# Altium PCB CTRL V5.PcbDoc (part 3 of 3)
Units mil, origin at the board's own origin, x right, y up, seen from the top; angles counter-clockwise.
Board outline 1988.19 x 1466.54 mil, 2 copper layers (Top Layer, Bottom Layer); 108 components, 97 nets, 447 pads, 160 vias.
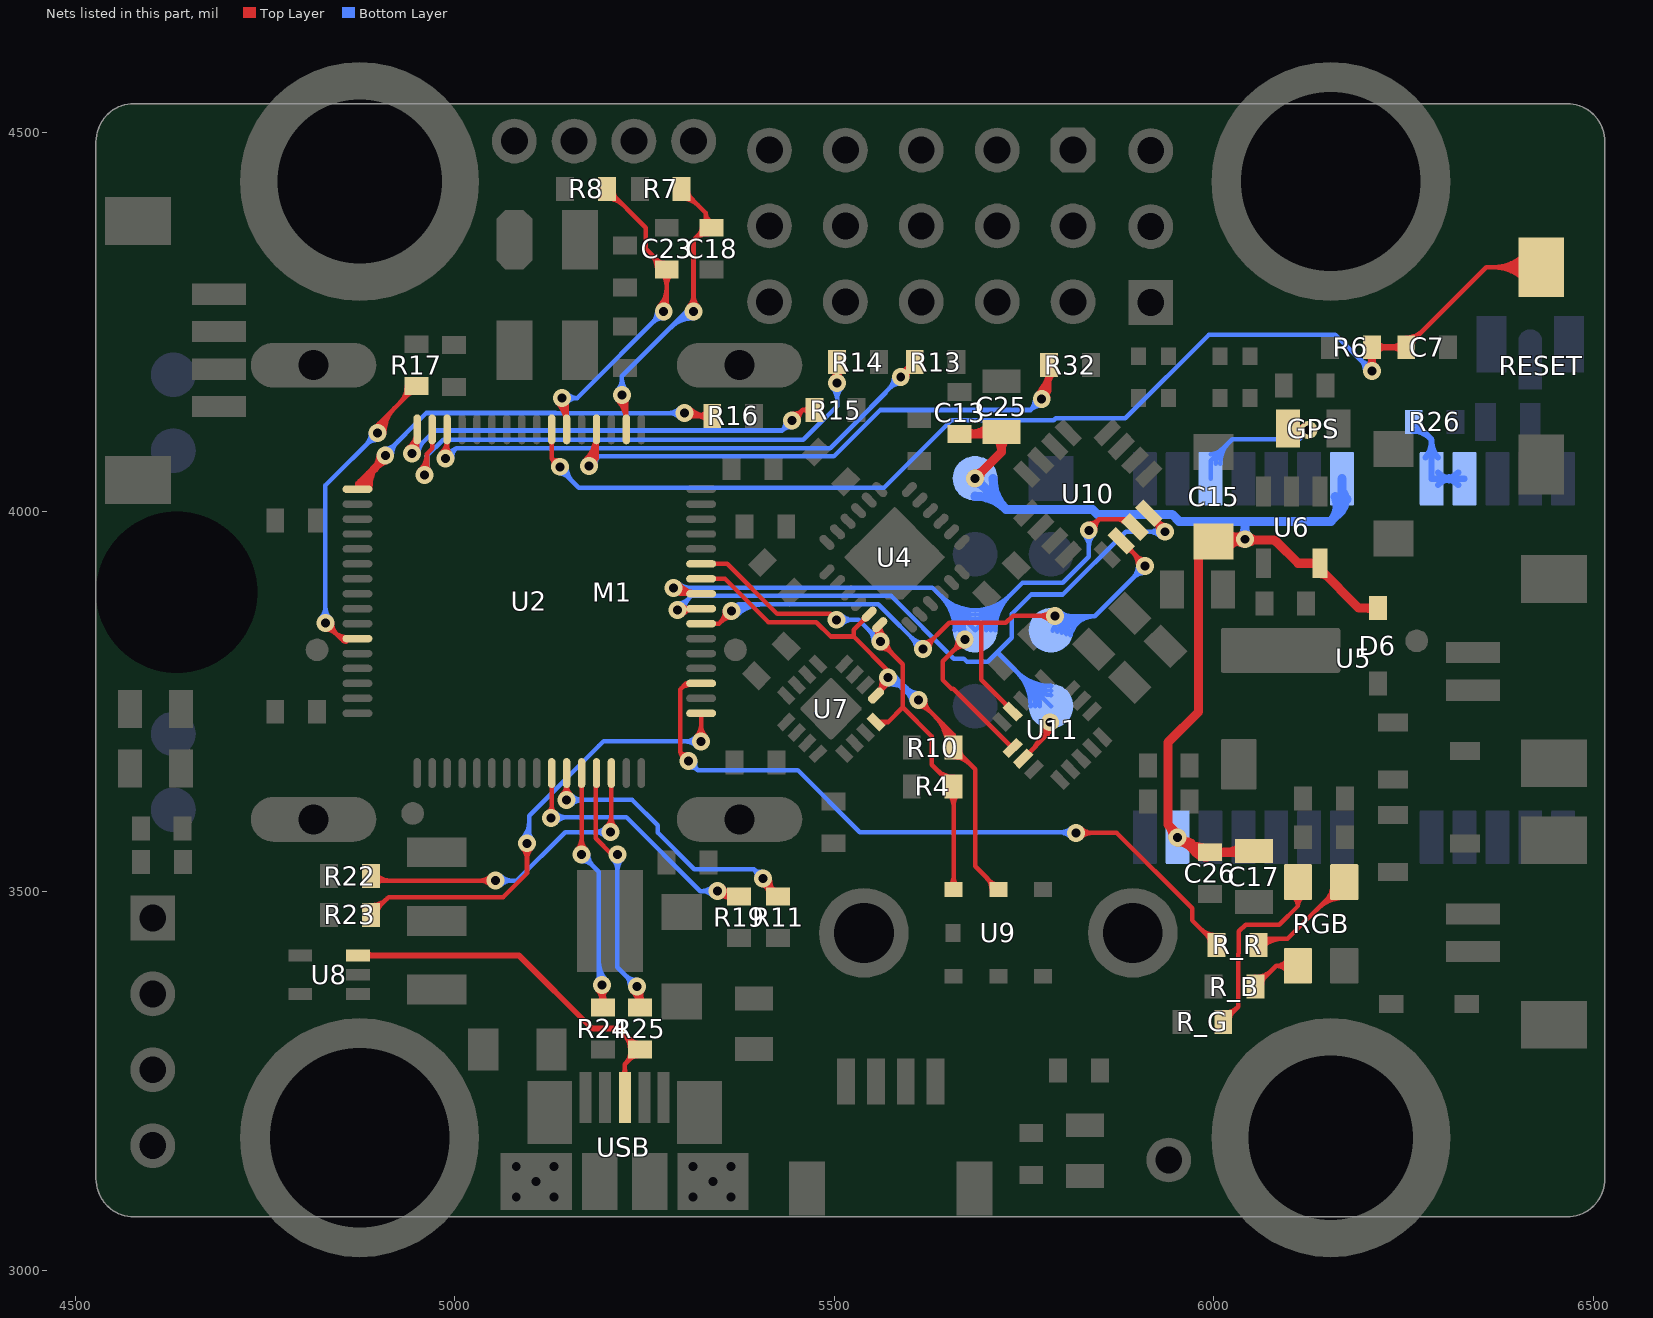
[diagram p3: the nets of this part, all layers, seen from the top]

## Via types
v1: diameter 23.62, hole 11.81, Top Layer to Bottom Layer, 160 vias

## Nets (pads, with @x,y where several pads share a name; then routed paths per layer and width w, separated by ;. In a path a pad name is that pad's centre, name@x,y a point inside that pad or via, vN(x,y) a via of type N, cw(c..) or ccw(c..) an arc to the next point about the centre after c; other vN are vias at no path point) (continued)
NetR25_1: R25.1 U8.3 USB.D+ | length 601.3
  Top Layer w6: USB.D+@5220.96,3257.2 ccw(c5212.64,3265.52) 5224.41,3265.52 ccw(c5236.18,3265.52) USB.D+@5227.86,3257.2 ; USB.D+@5224.41,3225.17 USB.D+@5224.41,3228.13 5224.41,3271.65 ; R25.1@5231.38,3290.62 cw(c5207.4,3288.66) 5224.41,3271.65 ; 5231.84,3279.08 cw(c5240.16,3270.76) R25.1@5240.16,3282.53 ; R25.1@5233.58,3280.82 ccw(c5224.35,3290.05) R25.1@5237.36,3291.11 ; R25.1@5244.09,3291.34 5224.41,3271.65
  Top Layer w8: U8.3@4872.65,3415.35 5084.65,3415.35 5181.1,3318.9 5216.53,3318.9 R25.1@5244.09,3291.34 ; U8.3@4883.26,3412.61 cw(c4889.87,3406) 4889.87,3415.35 cw(c4889.87,3424.71) U8.3@4883.26,3418.09 ; 5224.04,3311.39 cw(c5203.98,3291.34) R25.1@5232.35,3291.34 ; R25.1@5233.54,3301.89 ccw(c5240.16,3308.5) R25.1@5240.16,3299.15
NetR26_1: R26.1 U5.8 U5.9 | length 344.5
  Bottom Layer w8: R26.1@6263.78,4106.36 cw(c6263.78,4078) 6283.84,4098.05 ; R26.1@6263.78,4118.11 6287.4,4094.49 U5.8@6287.4,4043.31 U5.9@6330.71,4043.31 ; R26.1@6271.59,4114.17 ccw(c6280.94,4114.17) R26.1@6274.33,4107.56 ; U5.8@6279.09,4071.3 ccw(c6259.04,4091.36) 6287.4,4091.36 ccw(c6315.76,4091.36) U5.8@6295.71,4071.3 ; U5.8@6295.71,4035 cw(c6315.76,4014.95) 6315.76,4043.31 cw(c6315.76,4071.67) U5.8@6295.71,4051.62 ; U5.8@6296.99,4036.52 cw(c6306.91,4029.51) 6310.06,4041.24 ; U5.8@6296.99,4050.09 ccw(c6306.91,4057.11) 6310.06,4045.37 ; U5.8@6297.58,4037.43 cw(c6310.7,4029.86) 6306.78,4044.5 ; U5.8@6297.58,4049.18 ccw(c6310.7,4056.76) 6306.78,4042.12 ; U5.9@6322.4,4035 ccw(c6302.35,4014.95) 6302.35,4043.31 ccw(c6302.35,4071.67) U5.9@6322.4,4051.62
NetR_B_1: R_B.1 RGB.B | length 150.1
  Top Layer w6: R_B.1@6055.12,3374.02 6082.68,3401.57 ; R_B.1@6055.12,3380.76 ccw(c6055.12,3397.06) R_B.1@6066.64,3385.54 ; R_B.1@6055.12,3386.76 ccw(c6055.12,3417.54) 6076.88,3395.78 ; R_B.1@6063.93,3377.95 cw(c6075.7,3377.95) 6067.38,3386.27 ; RGB.B@6097.96,3393.17 ccw(c6082.68,3383.48) 6082.68,3401.57 ; RGB.B@6097.96,3409.98 cw(c6082.68,3419.67) 6082.68,3401.57 ; RGB.B@6111.22,3401.57 6082.68,3401.57
NetR_G_1: R_G.1 RGB.G | length 323.4
  Top Layer w6: R_G.1@6012.8,3327.76 6032.48,3347.44 ; R_G.1@6013.03,3334.5 ccw(c6014.09,3347.5) R_G.1@6023.31,3338.27 ; R_G.1@6013.51,3340.48 ccw(c6015.47,3364.45) 6032.48,3347.44 ; R_G.1@6021.61,3331.7 cw(c6033.37,3331.7) 6025.05,3340.02 ; RGB.G@6103.65,3493.14 cw(c6096.58,3480.32) 6111.22,3480.32 ; RGB.G@6111.22,3511.81 6111.22,3480.32 ; RGB.G@6118.8,3493.14 ccw(c6125.86,3480.32) 6111.22,3480.32 ; 6032.48,3347.44 6032.48,3417.32 6033.46,3418.31 6033.46,3446.85 6042.32,3455.71 6086.61,3455.71 6111.22,3480.32
NetR_R_1: R_R.1 RGB.R | length 284
  Top Layer w6: R_R.1@6059.06,3429.13 6066.93,3437.01 6097.44,3437.01 RGB.R@6172.24,3511.81 ; R_R.1@6061.04,3431.08 cw(c6075.35,3416.78) 6075.35,3437.01 ; R_R.1@6065.29,3426.84 cw(c6089.83,3402.29) 6089.83,3437.01 ; R_R.1@6065.29,3439.3 ccw(c6070.82,3444.84) R_R.1@6070.82,3437.01 ; 6137.04,3476.61 cw(c6172.24,3441.4) RGB.R@6172.24,3491.19 ; 6147.28,3486.85 cw(c6172.24,3461.89) RGB.R@6172.24,3497.19 ; 6148.92,3488.49 ccw(c6130.52,3506.89) RGB.R@6156.54,3506.89
NRST: C7.2 R6.2 RESET.2 U2.7 | length 2078.6
  Top Layer w6: U2.7@5127.95,4108.27 5127.95,4069.88 ; v1@5130.26,4061.31 ccw(c5121.66,4063.59) 5127.95,4069.88 ; v1@5136.52,4067.57 cw(c5134.24,4076.17) 5127.95,4069.88 ; v1(5138.78,4059.06) 5127.95,4069.88 ; v1@6202.43,4191.27 ccw(c6187.39,4206.31) 6208.66,4206.31 ccw(c6229.93,4206.31) v1@6214.89,4191.27 ; R6.2@6202.43,4206.37 cw(c6187.39,4191.33) 6208.66,4191.33 cw(c6229.93,4191.33) R6.2@6214.89,4206.37 ; v1@6203.91,4192.46 ccw(c6200.6,4197.65) 6206.54,4199.24 ccw(c6215.18,4201.55) v1@6211.9,4193.24 ; v1@6205.43,4193.24 ccw(c6202.14,4201.55) 6210.78,4199.24 ccw(c6216.73,4197.65) v1@6213.41,4192.46 ; v1(6208.66,4185.04) R6.2@6208.66,4216.53 ; C7.2@6253.94,4216.54 6359.33,4321.93 RESET.2@6432.09,4321.93 ; C7.2@6253.94,4223.28 ccw(c6253.94,4239.58) C7.2@6265.46,4228.06 ; C7.2@6253.94,4229.28 ccw(c6253.94,4260.06) 6275.7,4238.3 ; C7.2@6262.75,4220.47 cw(c6274.51,4220.47) 6266.19,4228.79 ; RESET.2@6412.99,4302.84 ccw(c6366.9,4256.75) 6366.9,4321.93 ccw(c6366.9,4387.11) RESET.2@6412.99,4341.02 ; RESET.2@6417.24,4307.08 ccw(c6381.39,4271.23) 6381.39,4321.93 ccw(c6381.39,4372.63) RESET.2@6417.24,4336.78 ; RESET.2@6421.48,4311.32 ccw(c6395.87,4285.72) 6395.87,4321.93 ccw(c6395.87,4358.14) RESET.2@6421.48,4332.54
  Top Layer w8: R6.2@6208.66,4216.53 C7.2@6253.94,4216.54 ; R6.2@6214.19,4211.01 cw(c6227.52,4197.67) 6227.52,4216.54 cw(c6227.51,4235.39) R6.2@6214.19,4222.06 ; C7.2@6248.41,4211.01 ccw(c6235.08,4197.68) 6235.08,4216.54 ccw(c6235.08,4235.39) C7.2@6248.41,4222.06
  Bottom Layer w6: v1@5138.78,4050.24 cw(c5138.78,4036.1) 5148.78,4046.1 ; v1(5138.78,4059.06) 5138.78,4056.1 5163.51,4031.37 5565.82,4031.37 5654.53,4120.08 5789.37,4120.08 5792.32,4123.03 5883.86,4123.03 5993.97,4233.14 6160.56,4233.14 v1(6208.66,4185.04) ; v1@5141.59,4059.06 ccw(c5155.51,4059.06) 5145.67,4049.22 ; v1@5147.59,4059.06 ccw(c5175.99,4059.06) 5155.91,4038.97 ; v1@6199.85,4185.04 ccw(c6178.58,4185.04) 6193.62,4200.08 ccw(c6208.66,4215.12) v1@6208.66,4193.85
PC13: C18.2 R7.1 U2.2 | length 667.6
  Top Layer w6: v1@5214.24,4147.31 cw(c5184.94,4118.01) U2.2@5226.38,4118.01 ; v1@5218.48,4151.56 cw(c5199.43,4132.5) 5226.38,4132.5 ; v1(5220.47,4153.54) 5226.38,4147.64 U2.2@5226.38,4108.27 ; R7.1@5299.21,4412.45 cw(c5299.21,4381.67) 5320.97,4403.43 ; R7.1@5299.21,4418.45 cw(c5299.21,4402.16) R7.1@5310.73,4413.68 ; R7.1@5299.21,4425.2 5330.71,4393.7 ; R7.1@5308.02,4421.26 ccw(c5319.79,4421.26) 5311.47,4412.94 ; v1@5308.6,4270.01 ccw(c5293.56,4285.05) 5314.83,4285.05 ccw(c5336.11,4285.05) v1@5321.06,4270.01 ; v1(5314.83,4263.78) 5314.83,4358.14 ; 5322.39,4365.7 ccw(c5314.07,4374.02) C18.2@5325.83,4374.02 ; C18.2@5324.07,4367.38 cw(c5333.43,4358.02) C18.2@5334.43,4371.21 ; C18.2@5328.41,4380.25 ccw(c5322.88,4385.78) C18.2@5330.71,4385.78 ; C18.2@5333.98,4365.23 ccw(c5332.12,4340.86) 5314.83,4358.14 ; C18.2@5338.25,4382.06 cw(c5343.47,4393.7) 5330.71,4393.7 ; 5314.83,4358.14 5330.71,4374.02 5330.71,4393.7
  Bottom Layer w6: v1@5214.24,4159.77 ccw(c5199.2,4174.82) 5220.47,4174.82 ccw(c5241.74,4174.82) v1@5226.7,4159.77 ; v1(5220.47,4153.54) 5220.47,4178.15 5306.1,4263.78 v1(5314.83,4263.78) ; 5284.89,4242.56 cw(c5314.83,4212.62) v1@5314.83,4254.97 ; 5295.13,4252.81 cw(c5314.83,4233.1) v1@5314.83,4260.97
PD1: C23.2 R8.1 U2.6 | length 712.5
  Top Layer w6: v1@5135.5,4143.38 cw(c5106.2,4114.08) U2.6@5147.64,4114.08 ; v1@5139.74,4147.62 cw(c5120.69,4128.56) 5147.64,4128.56 ; v1(5141.73,4149.61) 5147.64,4143.7 U2.6@5147.64,4108.27 ; R8.1@5200.79,4412.45 cw(c5200.79,4381.67) 5222.55,4403.43 ; R8.1@5200.79,4418.45 cw(c5200.79,4402.16) R8.1@5212.31,4413.68 ; R8.1@5200.79,4425.2 5251.97,4374.02 5251.97,4346.46 C23.2@5279.53,4318.9 5279.53,4267.72 v1(5275.59,4263.78) ; R8.1@5209.6,4421.26 ccw(c5221.37,4421.26) 5213.05,4412.94 ; 5257.77,4340.66 cw(c5236,4318.9) C23.2@5266.78,4318.9 ; 5267.27,4331.16 ccw(c5275.59,4339.48) C23.2@5275.59,4327.71 ; C23.2@5268.01,4330.42 cw(c5256.49,4318.9) C23.2@5272.78,4318.9 ; v1@5269.36,4270.01 ccw(c5244.81,4294.56) 5279.53,4294.56 ; C23.2@5273.3,4312.67 cw(c5258.26,4297.63) 5279.53,4297.63 cw(c5300.8,4297.63) C23.2@5285.76,4312.67 ; v1@5273.6,4265.77 ccw(c5259.3,4280.07) 5279.53,4280.07 ; 5279.53,4275.54 ccw(c5287.35,4275.54) v1@5281.82,4270.01
  Bottom Layer w6: v1(5141.73,4149.61) 5161.42,4149.61 ; v1@5148.3,4143.74 cw(c5161.42,4132.02) 5161.42,4149.61 ; v1@5148.3,4155.48 ccw(c5161.42,4167.19) 5161.42,4149.61 ; v1@5266.78,4263.78 cw(c5245.51,4263.78) 5260.55,4248.74 cw(c5275.59,4233.7) v1@5275.59,4254.97 ; v1(5275.59,4263.78) 5161.42,4149.61
PPM: R32.1 U2.4 | length 1043.4
  Top Layer w6: v1@5170.94,4066.27 ccw(c5132.13,4105.07) U2.4@5187.01,4105.07 ; v1@5175.18,4062.03 ccw(c5146.62,4090.59) U2.4@5187.01,4090.59 ; v1(5177.17,4060.04) 5187.01,4069.88 ; v1@5179.42,4057.79 ccw(c5161.1,4076.1) 5187.01,4076.1 ; v1@5180.13,4068.34 ccw(c5182.35,4074.54) 5187.01,4069.88 ; v1@5185.46,4063.01 cw(c5191.67,4065.22) 5187.01,4069.88 ; U2.4@5187.01,4108.27 5187.01,4069.88 ; v1@5767.47,4154.93 ccw(c5730.37,4192.91) R32.1@5783.46,4192.91 5783.46,4158.46 ; v1@5771.66,4150.63 ccw(c5744.28,4178.66) R32.1@5783.46,4178.66 ; v1(5773.62,4148.62) 5783.46,4158.46 ; v1@5775.85,4146.34 ccw(c5758.19,4164.42) 5783.46,4164.42 ; v1@5776.59,4156.92 ccw(c5778.81,4163.12) 5783.46,4158.46 ; R32.1@5777.23,4182.75 cw(c5762.19,4167.71) 5783.46,4167.71 cw(c5804.74,4167.71) R32.1@5789.69,4182.75 ; v1@5781.92,4151.59 cw(c5788.12,4153.81) 5783.46,4158.46
  Bottom Layer w6: v1(5177.17,4060.04) 5189.79,4072.66 ; v1@5178.32,4068.77 ccw(c5180.12,4082.33) 5189.79,4072.66 ; v1@5185.9,4061.2 cw(c5199.46,4062.99) 5189.79,4072.66 ; v1@5764.81,4148.5 cw(c5744.48,4148.23) 5758.86,4133.86 ; v1@5773.5,4139.81 ccw(c5773.23,4119.48) 5758.86,4133.86 ; v1(5773.62,4148.62) 5758.86,4133.86 ; 5189.79,4072.66 5499.64,4072.66 5560.83,4133.86 5758.86,4133.86
PPS: GPS.C U5.3 | length 373.3
  Top Layer w6: GPS.C@6097.91,4109.25 6099.87,4107.28 v1(6125,4107.28) cw(c6125,4126.83) GPS.C@6108.6,4116.19 ; GPS.C@6103.57,4112.93 ccw(c6113.95,4119.67) v1@6113.95,4107.28 ; GPS.C@6106.92,4100.24 cw(c6123.93,4083.23) v1@6123.93,4107.28 ; v1@6116.28,4108.58 cw(c6110.98,4109.37) 6112.37,4104.19 cw(c6113.67,4099.32) v1@6117.79,4102.22 ; v1@6116.58,4109.89 cw(c6113.41,4110.87) 6112.55,4107.66 cw(c6110.86,4101.36) v1@6116.87,4103.88 ; v1@6118.77,4101.05 ccw(c6103.73,4086.01) 6103.73,4107.28 ccw(c6103.73,4128.56) v1@6118.77,4113.51
  Bottom Layer w6: U5.3@5996.06,4043.31 5996.06,4066.93 6024.61,4095.47 6113.19,4095.47 v1(6125,4107.28) ; U5.3@5996.06,4075.74 ccw(c5996.06,4097.01) 6011.11,4081.97 ; U5.3@6002.81,4062.99 cw(c6028.61,4062.99) 6010.37,4081.23 ; U5.3@6008.81,4062.99 cw(c6049.09,4062.99) 6020.61,4091.48
PURE_3V3: C13.2 C15.A C17.2 C25.1 C26.2 D6.A M1.2 U5.7 U5.23 U6.5 | length 2198.7
  Top Layer w12: C13.2@5665.35,4102.36 5718.04,4102.36 C25.1@5720.47,4104.8 5720.47,4078.35 v1(5685.83,4043.7) ; C13.2@5673.4,4098.25 cw(c5683.32,4088.33) 5683.32,4102.36 cw(c5683.32,4116.39) C13.2@5673.4,4106.47 ; 5681.81,4102.36 ccw(c5681.81,4134.21) C25.1@5704.33,4111.69 ; v1@5685.83,4049.51 ccw(c5685.83,4063.54) 5695.75,4053.62 ccw(c5705.67,4043.7) v1@5691.64,4043.7 ; 5693.56,4102.36 cw(c5693.56,4087.14) C25.1@5704.33,4097.9 ; C25.1@5713.58,4097.9 cw(c5696.94,4081.26) 5720.47,4081.26 cw(c5744.01,4081.26) C25.1@5727.36,4097.9 ; 5940.05,3587.51 cw(c5923.41,3570.87) v1@5946.94,3570.87 ; v1@5952.76,3565.06 cw(c5952.76,3541.52) 5969.4,3558.16 ; v1@5954.26,3565.25 cw(c5959.63,3545.21) 5970,3563.18 ; 5976.68,3550.88 ccw(c5990.9,3565.1) C26.2@5991.25,3544.99 ; C26.2@5987.03,3547.07 ccw(c5977.11,3537.15) 5977.11,3551.18 ccw(c5977.11,3565.21) C26.2@5987.03,3555.29 ; C26.2@5991.04,3556.99 cw(c5990.2,3604.37) v1@5956.69,3570.86 ; C26.2@6003.12,3547.07 cw(c6013.04,3537.15) 6013.04,3551.18 cw(c6013.04,3565.21) C26.2@6003.12,3555.29 ; C15.A@6015.41,3973.09 ccw(c6038.37,3996.04) v1@6038.37,3963.58 ; 6016.87,3551.18 ccw(c6016.87,3579.66) C17.2@6037.01,3559.52 ; C15.A@6017.63,3950.87 cw(c6041.34,3935.11) v1(6041.34,3963.58) 6002.95,3963.58 C15.A@6000,3960.63 5980.32,3940.94 5980.32,3736.22 5939.96,3695.87 5939.96,3587.6 v1@5956.69,3570.87 ; 6023.86,3551.18 cw(c6023.86,3532.59) C17.2@6037.01,3545.74 ; C15.A@6025.8,3966.95 ccw(c6030.11,3983.04) v1@6038.43,3968.62 ; 6029.38,3965.99 cw(c6026.43,3954.98) v1@6036.31,3960.68 ; v1@6036.31,3966.49 cw(c6024.16,3973.5) 6027.79,3959.95 cw(c6031.42,3946.4) v1@6038.43,3958.55 ; v1@6037.23,3959.47 ccw(c6027.31,3949.55) 6027.31,3963.58 ccw(c6027.31,3977.61) v1@6037.23,3967.69 ; v1@6041.34,3960.63 6049.22,3960.63 6051.16,3962.57 6079.96,3962.57 6081.9,3960.63 6082.68,3960.63 6111.42,3931.89 U6.5@6140.36,3931.89 6140.36,3923.81 6191.33,3872.84 D6.A@6216.53,3872.84 ; v1@6045.45,3967.69 ccw(c6057.81,3980.05) 6057.81,3962.57 ; C17.2@6053.15,3552.63 6051.7,3551.18 C26.2@5995.08,3551.18 5988.19,3551.18 5976.38,3551.18 v1@5956.69,3570.87 ; U6.5@6140.36,3918.2 cw(c6140.36,3904.68) U6.5@6149.92,3914.24 ; D6.A@6212.29,3868.6 ccw(c6202.04,3858.35) 6202.04,3872.84 ccw(c6202.04,3887.33) D6.A@6212.29,3877.08
  Bottom Layer w12: M1.2@5685.83,4020.17 cw(c5685.83,3963.37) 5725.99,4003.54 cw(c5766.15,4043.7) M1.2@5709.35,4043.7 ; M1.2@5685.83,4037.89 cw(c5685.83,4023.86) 5695.75,4033.78 cw(c5705.67,4043.7) M1.2@5691.64,4043.7 ; v1(5685.83,4043.7) 5726.57,4002.95 5840.33,4002.95 5847.05,3996.24 5945.47,3996.24 5954.5,3987.2 6043.31,3987.2 ; v1@6037.23,3967.69 ccw(c6027.31,3977.61) 6041.34,3977.61 ccw(c6055.37,3977.61) v1@6045.45,3967.69 ; v1(6041.34,3963.58) 6041.34,3985.23 6043.31,3987.2 ; U5.7@6160.41,4019.6 cw(c6134.08,4007.65) 6154.53,3987.21 ; U5.7@6162.83,4016.32 cw(c6150.12,4001.97) 6169.29,4001.97 ; 6166.78,3999.46 ccw(c6150.94,4015.3) U5.7@6171.34,4024.55 ; U5.7@6169.29,4043.31 6169.29,4001.97 ; U5.7@6175.75,4016.32 ccw(c6188.46,4001.97) 6169.29,4001.97 ; 6043.31,3987.2 6154.53,3987.2 ; 6154.53,3987.2 6169.29,4001.97
  other v1: 5952.76,3570.87
PWM_SERVO: R17.2 U2.27 | length 663.6
  Top Layer w6: v1@4829.72,3844.53 cw(c4829.72,3823.26) 4844.77,3838.3 cw(c4859.81,3853.35) v1@4838.53,3853.35 ; v1(4829.72,3853.35) 4850.39,3832.68 U2.27@4872.05,3832.68 ; 4842.24,3840.83 ccw(c4857.28,3855.88) U2.27@4857.28,3834.6 ; 4852.48,3830.59 ccw(c4857.28,3835.39) U2.27@4857.28,3828.6 ; v1@4895.43,4103.35 cw(c4913.88,4103.35) 4900.83,4116.39 ; v1(4898.62,4103.35) 4898.62,4114.17 R17.2@4949.8,4165.35 ; v1@4901.43,4103.35 cw(c4934.36,4103.35) 4911.08,4126.63 ; v1@4907.43,4103.35 cw(c4954.85,4103.35) 4921.32,4136.87 ; 4928.04,4143.59 ccw(c4906.28,4165.35) R17.2@4937.05,4165.35 ; 4937.54,4153.1 cw(c4945.86,4144.78) R17.2@4945.86,4156.54 ; R17.2@4938.28,4153.83 ccw(c4926.76,4165.35) R17.2@4943.05,4165.35 ; R17.2@4955.22,4159.94 R17.2@4958.66,4163.39
  Bottom Layer w6: v1@4823.49,3859.58 ccw(c4808.45,3874.62) 4829.72,3874.62 ccw(c4851,3874.62) v1@4835.95,3859.58 ; v1(4829.72,3853.35) 4829.72,4034.45 v1(4898.62,4103.35) ; v1@4889.81,4103.35 cw(c4868.54,4103.35) 4883.58,4088.3 cw(c4898.62,4073.26) v1@4898.62,4094.53
PWMX1: R13.2 U2.14 | length 918.1
  Top Layer w6: v1@4981.96,4076.11 ccw(c4962.16,4095.91) U2.14@4990.16,4095.91 ; v1(4988.19,4069.88) 4990.16,4071.85 U2.14@4990.16,4108.27 ; 4990.16,4086.4 ccw(c5004.71,4086.4) v1@4994.42,4076.11 ; v1(5587.87,4177.37) v1@5587.87,4178.42 ; v1@5587.87,4186.18 ccw(c5587.87,4204.91) R13.2@5601.12,4191.67 ; v1@5588.7,4186.14 ccw(c5589.56,4195.37) 5597.59,4190.73 ccw(c5609.54,4183.83) v1@5596.31,4179.89 ; v1@5594.04,4184.59 ccw(c5585.72,4192.91) R13.2@5597.49,4192.91 ; v1@5596.68,4177.37 cw(c5620.49,4177.37) R13.2@5603.66,4194.21 ; R13.2@5605.08,4184.19 ccw(c5602.26,4164.03) v1@5587.87,4178.42 ; R13.2@5606.3,4196.85 v1@5587.87,4178.42
  Bottom Layer w6: v1(4988.19,4069.88) 5001.97,4083.66 ; v1@4988.75,4078.67 ccw(c4989.85,4095.78) 5001.97,4083.66 ; v1@4996.98,4070.44 cw(c5014.09,4071.54) 5001.97,4083.66 ; 5548.23,4136.81 5548.23,4137.73 v1(5587.87,4177.37) ; 5567.91,4156.5 5495.08,4083.66 5067.91,4083.66 5001.97,4083.66 ; v1@5579.06,4177.37 cw(c5557.79,4177.37) 5572.83,4162.33 cw(c5587.87,4147.29) v1@5587.87,4168.56
PWMX2: R14.2 U2.15 | length 923.9
  Top Layer w6: v1@4954.48,4054.54 ccw(c4933.19,4076.4) 4963.71,4076.4 ; v1@4958.67,4050.24 ccw(c4947.04,4062.19) 4963.71,4062.19 ; v1(4960.63,4048.23) 4963.71,4051.31 4963.71,4076.41 ; 4963.71,4062.07 ccw(c4974.47,4062.07) v1@4966.86,4054.46 ; U2.15@4970.47,4108.27 4970.47,4083.17 4963.71,4076.41 ; v1@5497.71,4175.52 ccw(c5482.67,4190.56) 5503.94,4190.56 ccw(c5525.21,4190.57) v1@5510.17,4175.52 ; R14.2@5497.71,4186.68 cw(c5482.66,4171.64) 5503.94,4171.64 cw(c5525.21,4171.64) R14.2@5510.17,4186.68 ; v1@5499.56,4176.94 ccw(c5497.65,4180.27) 5501.36,4181.26 ccw(c5505.61,4182.4) v1@5505.06,4178.03 ; v1@5502.82,4178.03 ccw(c5502.26,4182.39) 5506.51,4181.26 ccw(c5510.21,4180.27) v1@5508.31,4176.94 ; v1(5503.94,4169.29) R14.2@5503.94,4196.85
  Bottom Layer w6: v1@4955.03,4055.03 ccw(c4939.89,4073.42) 4963.71,4073.42 ; v1@4958.84,4050.4 ccw(c4950.36,4060.71) 4963.71,4060.71 ; v1(4960.63,4048.23) 4963.71,4051.31 4963.71,4073.42 ; 4963.71,4062.07 ccw(c4974.47,4062.07) v1@4966.86,4054.46 ; v1@5497.71,4163.06 cw(c5482.67,4148.02) 5503.94,4148.02 cw(c5525.21,4148.02) v1@5510.17,4163.06 ; v1(5503.94,4169.29) 5503.94,4138.95 5459.65,4094.66 5000.75,4094.66 4984.95,4094.66 4963.71,4073.42
PWMY1: R15.2 U2.16 | length 746.4
  Top Layer w6: v1@4938.59,4083.81 ccw(c4920.16,4108.27) U2.16@4950.79,4108.27 4950.79,4083.66 v1(4943.9,4076.77) ; v1@4942.21,4079.02 ccw(c4929.23,4096.23) U2.16@4950.79,4096.23 ; v1(5444.88,4120.08) 5458.66,4133.86 ; v1@5445.44,4128.87 ccw(c5446.54,4145.98) 5458.66,4133.86 ; v1@5453.68,4120.64 cw(c5470.78,4121.73) 5458.66,4133.86 ; R15.2@5466.9,4129.25 ccw(c5458.66,4124.19) 5458.66,4133.86 ; R15.2@5466.9,4138.47 cw(c5458.66,4143.52) 5458.66,4133.86 ; R15.2@5474.41,4133.86 5458.66,4133.86
  Bottom Layer w6: v1(4943.9,4076.77) 4973.94,4106.82 5431.62,4106.82 ; v1@4943.9,4085.58 ccw(c4943.9,4106.85) 4958.94,4091.81 ccw(c4973.98,4076.77) v1@4952.71,4076.77 ; v1@5436.11,4119.26 cw(c5420.63,4117.81) 5431.62,4106.82 ; v1@5444.06,4111.31 ccw(c5442.62,4095.82) 5431.62,4106.82 ; v1(5444.88,4120.08) 5431.62,4106.82
PWMY2: R16.2 U2.17 | length 850.9
  Top Layer w6: U2.17@4870.73,4029.53 cw(c4886.47,4029.53) 4875.34,4040.66 ; U2.17@4872.05,4029.53 4872.05,4037.36 v1(4908.7,4074.02) ; U2.17@4876.73,4029.53 cw(c4906.96,4029.53) 4885.59,4050.9 ; U2.17@4882.73,4029.53 cw(c4927.44,4029.53) 4895.83,4061.14 ; U2.17@4888.73,4029.53 cw(c4947.93,4029.53) v1@4906.07,4071.38 ; 4895.98,4054.19 cw(c4917.1,4041.8) v1@4910.93,4065.49 ; 4898.28,4058.1 ccw(c4882.7,4067.24) v1@4900.18,4071.8 ; v1@4899.89,4074.02 cw(c4878.62,4074.02) 4893.66,4058.98 cw(c4908.7,4043.94) v1@4908.7,4065.21 ; v1(5303.15,4129.92) 5307.09,4125.98 R16.2@5339.57,4125.98 ; v1@5305.14,4131.91 ccw(c5319.44,4146.22) 5319.44,4125.98 ; v1@5309.38,4123.69 cw(c5314.91,4118.16) 5314.91,4125.98 ; v1@5309.38,4136.15 ccw(c5333.93,4160.7) R16.2@5333.93,4125.98 ; R16.2@5333.34,4119.75 ccw(c5318.29,4104.71) 5318.29,4125.98 ccw(c5318.29,4147.26) R16.2@5333.34,4132.21
  Bottom Layer w6: v1(4908.7,4074.02) 4908.7,4075.55 4908.46,4075.79 4962.6,4129.92 5031.08,4129.92 5049.79,4129.92 5133.4,4129.92 5133.53,4129.8 5303.02,4129.8 v1(5303.15,4129.92) ; v1@4908.7,4082.83 ccw(c4908.7,4099.25) 4920.31,4087.64 ; v1@4917.51,4074.02 cw(c4943.64,4074.02) 4925.17,4092.49 ; 5281.57,4129.8 ccw(c5281.57,4151.5) v1@5296.92,4136.15 ; 5282.18,4129.8 cw(c5282.18,4108.95) v1@5296.92,4123.69
RED: R_R.2 U2.51 | length 1104
  Top Layer w6: 5298.36,3766.86 cw(c5310.04,3755.18) U2.51@5310.04,3771.7 ; v1@5299.75,3673.44 ccw(c5290.15,3675.68) 5297.12,3682.65 ; v1@5306.33,3680.02 cw(c5304.09,3689.62) 5297.12,3682.65 ; v1(5308.33,3671.44) 5297.12,3682.65 ; U2.51@5324.8,3773.62 5305.12,3773.62 5297.12,3765.62 5297.12,3721.58 5297.12,3682.65 ; v1(5818.9,3576.77) 5872.2,3576.77 5971.76,3477.21 5971.76,3461.32 R_R.2@6003.94,3429.13 ; v1@5825.13,3570.54 cw(c5840.17,3555.5) 5840.17,3576.77 cw(c5840.17,3598.04) v1@5825.13,3583 ; 5982.18,3450.9 ccw(c6003.94,3472.66) R_R.2@6003.94,3441.88 ; 5991.68,3441.39 cw(c5983.36,3433.07) R_R.2@5995.13,3433.07 ; R_R.2@5992.42,3440.65 ccw(c6003.94,3452.17) R_R.2@6003.94,3435.88
  Bottom Layer w6: v1(5308.33,3671.44) 5320.32,3659.45 ; v1@5309.85,3662.76 cw(c5311.9,3651.03) 5320.32,3659.45 ; v1@5317.01,3669.92 ccw(c5328.74,3667.87) 5320.32,3659.45 ; 5795.25,3577.76 cw(c5795.25,3553.12) v1@5812.67,3570.54 ; 5800,3577.76 ccw(c5800,3595.67) v1@5812.67,3583 ; v1(5818.9,3576.77) 5817.91,3577.76 5533.82,3577.76 5452.13,3659.45 5320.32,3659.45
SCL: R10.1 U2.58 U4.23 U7.1 U9.5 | length 1140.4
  Top Layer w6: U2.58@5324.8,3911.42 5356.3,3911.42 5413.56,3854.16 5476.74,3854.16 5495.44,3835.46 5525.76,3835.46 ; U4.23@5539.35,3860.34 cw(c5533.29,3860.34) 5537.58,3856.05 cw(c5541.86,3851.77) U4.23@5541.86,3857.83 ; U4.23@5546.32,3864.8 5525.76,3844.24 5525.76,3835.46 ; U7.1@5559.4,3764.64 ccw(c5559.4,3771.66) 5564.36,3766.69 ccw(c5569.31,3761.73) U7.1@5562.3,3761.73 ; v1@5562.2,3779.92 cw(c5537.39,3775.39) U7.1@5555.22,3757.56 5570.87,3773.2 v1(5570.87,3781.5) ; U7.1@5563.31,3765.65 ccw(c5551.08,3777.89) v1@5568.1,3780.99 ; v1@5574.8,3786.42 5525.76,3835.46 ; v1@5611.22,3743.16 cw(c5611.22,3721.89) 5626.26,3736.93 cw(c5641.3,3751.97) v1@5620.03,3751.97 ; v1(5611.22,3751.97) 5657.48,3705.71 ; 5633.39,3729.8 cw(c5596.51,3692.91) R10.1@5648.67,3692.91 ; 5643.63,3719.56 cw(c5616.99,3692.91) R10.1@5654.67,3692.91 ; 5653.88,3709.31 cw(c5637.48,3692.91) R10.1@5660.67,3692.91 ; R10.1@5654.34,3701.14 ccw(c5652.59,3705.71) 5657.48,3705.71 ; R10.1@5657.48,3676.23 cw(c5657.48,3645.45) 5679.24,3667.21 ; R10.1@5657.48,3682.23 cw(c5657.48,3665.94) R10.1@5669,3677.46 ; R10.1@5660.62,3701.14 cw(c5662.37,3705.71) 5657.48,3705.71 ; R10.1@5666.29,3685.04 ccw(c5678.06,3685.04) 5669.74,3676.72 ; 5701.49,3517.01 cw(c5686.45,3501.97) U9.5@5707.72,3501.97 ; 5706.25,3512.26 ccw(c5714.57,3520.58) U9.5@5714.57,3508.81 ; U9.5@5716.53,3501.97 5686.02,3532.48 5686.02,3660.43 R10.1@5657.48,3688.98 5657.48,3705.71
  Bottom Layer w6: v1@5570.87,3772.68 cw(c5570.87,3725.27) v1@5604.39,3758.8 ; v1@5570.87,3778.69 cw(c5570.87,3745.76) 5594.15,3769.04 ; v1(5570.87,3781.5) 5581.69,3781.5 v1(5611.22,3751.97) ; v1@5570.87,3784.68 cw(c5570.87,3766.25) 5583.9,3779.28 ; 5588.82,3767.79 cw(c5573.92,3741.97) v1@5602.71,3749.69 ; 5599.28,3761.75 ccw(c5605.64,3772.78) v1@5608.94,3760.48 ; 5601.37,3760.54 cw(c5593.71,3747.28) v1@5608.51,3751.24 ; v1@5602.41,3751.97 ccw(c5581.14,3751.97) 5596.18,3767.01 ccw(c5611.22,3782.05) v1@5611.22,3760.78
SDA: R4.1 U2.59 U4.24 U7.16 U9.6 | length 989.8
  Top Layer w6: U2.59@5324.8,3931.1 5359.25,3931.1 5425.2,3865.16 5495.54,3865.16 v1(5503.22,3857.47) ; U4.24@5554.01,3844.65 cw(c5538.96,3829.6) v1@5560.24,3829.6 ; v1@5554.79,3834.97 ccw(c5541.65,3848.11) U4.24@5560.24,3848.11 ; U7.16@5555.22,3722.76 5571.44,3722.76 ; v1@5555.36,3835.49 ccw(c5551.83,3839.71) 5557.15,3841.14 ccw(c5561.85,3842.4) v1@5561.56,3837.53 ; U4.24@5560.24,3850.88 ccw(c5581.75,3850.87) v1@5567.05,3835.17 ; U4.24@5560.24,3850.88 5560.24,3829.53 v1(5561.02,3828.74) 5590.68,3799.09 5590.68,3758.22 5590.68,3742 ; v1@5561.02,3819.93 cw(c5561.02,3798.66) 5576.07,3813.7 cw(c5591.11,3828.74) v1@5569.84,3828.74 ; U7.16@5561.94,3717.17 cw(c5571.44,3711.89) 5571.44,3722.76 ; 5635.72,3659.56 ccw(c5657.48,3681.32) R4.1@5657.48,3650.54 ; 5645.22,3650.05 cw(c5636.9,3641.73) R4.1@5648.67,3641.73 ; R4.1@5645.96,3649.32 ccw(c5657.48,3660.83) R4.1@5657.48,3644.54 ; R4.1@5651.25,3627.63 cw(c5636.21,3612.59) 5657.48,3612.59 cw(c5678.75,3612.59) R4.1@5663.71,3627.63 ; U9.6@5652.64,3506.81 ccw(c5640.96,3518.49) 5657.48,3518.49 ccw(c5674,3518.49) U9.6@5662.32,3506.81 ; U9.6@5657.48,3501.97 R4.1@5657.48,3637.8 5628.94,3666.34 5628.94,3703.74 5590.68,3742 ; 5571.44,3722.76 5590.68,3742
  Bottom Layer w6: v1(5503.22,3857.47) 5532.29,3857.47 v1(5561.02,3828.74) ; v1@5509.45,3851.24 cw(c5524.49,3836.2) 5524.49,3857.47 cw(c5524.49,3878.74) v1@5509.45,3863.7 ; v1@5552.21,3828.74 ccw(c5530.94,3828.74) 5545.98,3843.78 ccw(c5561.02,3858.82) v1@5561.02,3837.55
SPI1_MISO: M1.7 U2.56 U10.4 U11.7 | length 1549.2
  Top Layer w6: v1(5293.57,3870.27) 5295.35,3872.05 U2.56@5324.8,3872.05 ; v1@5299.8,3864.04 cw(c5319.14,3844.7) U2.56@5319.14,3872.05 ; v1@5299.8,3876.5 ccw(c5310.54,3887.24) U2.56@5310.54,3872.05 ; U11.7@5749.26,3674.46 5784.45,3709.65 ; U11.7@5754.21,3682.41 ccw(c5754.21,3689.65) 5759.33,3684.53 ccw(c5764.45,3679.41) U11.7@5757.21,3679.41 ; 5760.36,3685.56 ccw(c5723.48,3722.44) v1@5775.64,3722.44 ; 5770.6,3695.8 ccw(c5743.96,3722.44) v1@5781.64,3722.44 ; 5780.85,3706.04 ccw(c5764.45,3722.44) v1@5787.64,3722.44 ; v1@5781.31,3714.21 cw(c5779.57,3709.65) 5784.45,3709.65 ; v1(5784.45,3722.44) 5784.45,3709.65 ; v1@5787.59,3714.21 ccw(c5789.33,3709.65) 5784.45,3709.65 ; U10.4@5914.68,3997.87 5936.02,3976.53 v1(5936.02,3973.43) ; U10.4@5918.79,3993.77 cw(c5898.44,3973.43) v1@5927.21,3973.43 ; U10.4@5921.75,3985.8 cw(c5921.75,3973.73) 5930.29,3982.27 cw(c5938.82,3990.8) U10.4@5926.75,3990.8 ; U10.4@5922.48,3986.77 cw(c5917.27,3977.73) v1@5927.44,3975.4 ; U10.4@5926.28,3986.27 ccw(c5936.02,3996.01) v1@5936.02,3982.24 ; v1@5927.83,3976.67 ccw(c5915.76,3981.46) 5927.01,3987.95 ccw(c5936.94,3993.68) v1@5936.42,3982.23 ; 5929.03,3983.52 cw(c5918.93,3973.43) v1@5933.21,3973.43
  Bottom Layer w6: v1(5293.57,3870.27) 5312.25,3888.95 5378.13,3888.95 5575.09,3888.95 5657.87,3806.17 5671.16,3806.17 5675.17,3802.17 5702.76,3802.17 5715.06,3814.47 ; v1@5293.57,3879.08 ccw(c5293.57,3900.35) 5308.61,3885.31 ccw(c5323.65,3870.27) v1@5302.38,3870.27 ; M1.7@5759.3,3743.7 ccw(c5695.26,3743.7) 5740.54,3788.99 ccw(c5785.83,3834.27) M1.7@5785.83,3770.23 ; M1.7@5765.3,3743.7 ccw(c5715.74,3743.7) 5750.78,3778.74 ccw(c5785.83,3813.79) M1.7@5785.83,3764.23 ; M1.7@5771.3,3743.7 ccw(c5736.23,3743.7) 5761.03,3768.5 ccw(c5785.83,3793.3) M1.7@5785.83,3758.23 ; M1.7@5785.83,3743.7 5715.06,3814.47 ; v1@5929.79,3967.19 ccw(c5914.75,3952.15) 5914.75,3973.43 ccw(c5914.75,3994.7) v1@5929.79,3979.66 ; v1(5936.02,3973.43) 5884.18,3973.43 5801.5,3890.75 5759.84,3890.75 5734.25,3865.16 5734.25,3833.66 5715.06,3814.47
SPI1_MOSI: M1.6 U2.57 U10.3 U11.6 | length 1651.6
  Top Layer w6: v1@5285.97,3897.52 ccw(c5298.61,3908.42) 5298.61,3891.73 ; v1(5288.39,3899.61) 5296.26,3891.73 U2.57@5324.8,3891.73 cw(c5324.8,3931) v1@5295.06,3905.36 ; v1@5290.51,3901.44 ccw(c5311.71,3919.71) U2.57@5311.71,3891.73 ; v1@5663.43,3831.69 cw(c5642.16,3831.69) 5657.2,3816.65 cw(c5672.24,3801.61) v1@5672.24,3822.88 ; v1(5672.24,3831.69) 5643.14,3802.59 5643.14,3778.16 5654.75,3766.55 5657.17,3766.55 U11.6@5735.34,3688.38 ; U11.6@5732.34,3688.38 ccw(c5725.1,3688.38) 5730.22,3693.5 ccw(c5735.34,3698.62) U11.6@5735.34,3691.38 ; v1(5835.63,3975.39) 5835.63,3976.38 5849.41,3990.16 ; v1@5835.63,3984.2 ccw(c5835.63,4003.1) 5848.99,3989.74 ; v1@5844.4,3976.23 cw(c5861.69,3977.88) 5849.41,3990.16 ; 5869.45,3990.16 cw(c5869.45,3966.78) U10.3@5885.98,3983.31 ; U10.3@5896.59,3979.78 5886.21,3990.16 5849.41,3990.16
  Bottom Layer w6: v1(5288.39,3899.61) 5288.73,3899.95 5629.57,3899.95 M1.6@5685.83,3843.7 5748.3,3906.17 5801.37,3906.17 5835.63,3940.43 v1(5835.63,3975.39) ; v1@5294.62,3893.38 cw(c5310.49,3877.5) 5310.49,3899.95 ; v1@5294.62,3905.84 ccw(c5308.82,3920.04) 5308.82,3899.95 ; M1.6@5659.3,3843.7 ccw(c5595.26,3843.7) 5640.54,3888.99 ccw(c5685.83,3934.27) 5685.83,3870.23 ccw(c5685.83,3934.27) 5731.11,3888.99 ccw(c5776.4,3843.7) M1.6@5712.35,3843.7 ; M1.6@5665.3,3843.7 ccw(c5615.74,3843.7) 5650.78,3878.74 ccw(c5685.83,3913.79) 5685.83,3864.23 ccw(c5685.83,3913.79) 5720.87,3878.74 ccw(c5755.91,3843.7) M1.6@5706.35,3843.7 ; M1.6@5671.3,3843.7 ccw(c5636.23,3843.7) 5661.03,3868.5 ccw(c5685.83,3893.3) 5685.83,3858.23 ccw(c5685.83,3893.3) 5710.63,3868.5 ccw(c5735.43,3843.7) M1.6@5700.35,3843.7 ; v1@5829.4,3969.16 cw(c5814.36,3954.12) 5835.63,3954.12 cw(c5856.9,3954.12) v1@5841.86,3969.16
SPI1_SCK: M1.5 U2.55 U10.2 U11.4 | length 1389.8
  Top Layer w6: U2.55@5324.8,3852.36 5348.43,3852.36 v1(5365.16,3869.09) ; v1@5356.35,3869.09 cw(c5335.07,3869.09) 5350.12,3854.05 cw(c5365.16,3839.01) v1@5365.16,3860.28 ; v1(5617.13,3818.9) 5651.57,3853.35 5693.9,3853.35 ; v1@5617.13,3827.71 ccw(c5617.13,3848.98) 5632.17,3833.94 ccw(c5647.21,3818.9) v1@5625.94,3818.9 ; U11.4@5727.39,3741.77 ccw(c5720.15,3741.77) 5725.27,3746.89 ccw(c5730.39,3752.01) U11.4@5730.39,3744.77 ; U11.4@5735.34,3736.82 5693.9,3778.26 5693.9,3853.35 ; 5768.34,3862.92 cw(c5768.34,3839.2) v1@5785.11,3855.97 ; 5771.79,3862.92 ccw(c5771.79,3881.75) v1@5785.11,3868.43 ; v1(5791.34,3862.2) 5790.62,3862.92 5735.95,3862.92 5726.38,3853.35 5693.9,3853.35 ; U10.2@5878.35,3961.54 5909.45,3930.43 v1(5909.45,3928.15) ; U10.2@5885.42,3949.46 cw(c5885.42,3937.39) 5893.95,3945.93 cw(c5902.49,3954.46) U10.2@5890.42,3954.46 ; 5892.79,3947.09 cw(c5873.85,3928.15) v1@5900.64,3928.15 ; 5898.31,3941.58 ccw(c5909.45,3952.72) v1@5909.45,3936.96
  Bottom Layer w6: v1@5362.9,3871.35 cw(c5378.84,3855.41) 5378.84,3877.95 ; v1(5365.16,3869.09) 5374.02,3877.95 5418.38,3877.95 5558.07,3877.95 v1(5617.13,3818.9) ; v1@5367.15,3867.11 cw(c5393.33,3840.92) 5393.33,3877.95 ; v1@5371.39,3862.86 cw(c5407.81,3826.44) 5407.81,3877.95 ; v1@5608.31,3818.9 ccw(c5587.04,3818.9) 5602.08,3833.94 ccw(c5617.13,3848.98) v1@5617.13,3827.71 ; M1.5@5788.28,3843.09 cw(c5812.76,3836.97) 5812.76,3862.2 ; v1(5791.34,3862.2) 5843.5,3862.2 ; M1.5@5794.1,3841.63 cw(c5820.45,3835.04) 5820.45,3862.2 ; M1.5@5797.57,3855.97 cw(c5812.61,3840.93) 5812.61,3862.2 cw(c5812.61,3883.48) M1.5@5797.57,3868.43 ; M1.5@5799.92,3840.18 cw(c5828.13,3833.12) 5828.13,3862.2 ; M1.5@5805.74,3838.72 cw(c5835.82,3831.2) 5835.82,3862.2 ; M1.5@5811.56,3837.27 cw(c5843.5,3829.28) 5843.5,3862.2 ; v1@5900.64,3928.15 cw(c5879.37,3928.15) 5894.41,3913.11 cw(c5909.45,3898.07) v1@5909.45,3919.34 ; v1(5909.45,3928.15) 5843.5,3862.2
SWCLK: R23.2 U2.49 | length 802.5
  Top Layer w6: R23.2@4889.76,3468.5 4913.39,3492.13 5063.98,3492.13 5095.47,3523.62 v1(5095.47,3562.99) ; R23.2@4889.76,3475.25 ccw(c4889.76,3491.54) R23.2@4901.28,3480.02 ; R23.2@4889.76,3481.25 ccw(c4889.76,3512.03) 4911.53,3490.27 ; R23.2@4898.58,3472.44 cw(c4910.34,3472.44) 4902.02,3480.76 ; v1@5089.24,3556.76 cw(c5074.2,3541.72) 5095.47,3541.72 cw(c5116.74,3541.72) v1@5101.7,3556.76 ; v1@5318.57,3703.52 ccw(c5303.53,3718.56) 5324.8,3718.56 ccw(c5346.08,3718.56) v1@5331.03,3703.52 ; v1(5324.8,3697.29) U2.49@5324.8,3734.25
  Bottom Layer w6: v1@5089.24,3569.22 ccw(c5067.07,3591.39) 5098.43,3591.39 ; v1@5093.48,3564.98 ccw(c5081.56,3576.91) 5098.43,3576.91 ; v1(5095.47,3562.99) 5098.43,3565.94 5098.43,3599.41 5190.27,3691.25 5196.31,3697.29 v1(5324.8,3697.29) ; 5098.43,3577.14 ccw(c5109.62,3577.14) v1@5101.7,3569.22 ; v1@5318.57,3691.06 ccw(c5303.53,3676.02) 5303.53,3697.29 ccw(c5303.53,3718.56) v1@5318.57,3703.52
SWDIO: R22.2 U2.46 | length 590.1
  Top Layer w6: R22.2@4889.76,3519.69 4895.67,3513.78 v1(5054.13,3513.78) ; R22.2@4895.99,3509.52 cw(c4906.28,3499.23) 4906.28,3513.78 ; R22.2@4895.99,3521.98 ccw(c4915.79,3541.78) 4915.79,3513.78 ; v1@5047.9,3507.55 ccw(c5032.86,3492.51) 5032.86,3513.78 ccw(c5032.86,3535.05) v1@5047.9,3520.01 ; v1@5199.48,3583.99 ccw(c5182.06,3601.4) 5206.69,3601.4 ; v1(5205.71,3577.76) 5206.69,3578.74 U2.46@5206.69,3655.51 ; 5206.69,3596.65 ccw(c5224.61,3596.65) v1@5211.94,3583.99
  Bottom Layer w6: v1(5054.13,3513.78) 5081.69,3513.78 5145.67,3577.76 v1(5205.71,3577.76) ; v1@5060.36,3507.55 cw(c5075.41,3492.51) 5075.41,3513.78 cw(c5075.41,3535.05) v1@5060.36,3520.01 ; v1@5199.48,3571.53 ccw(c5184.44,3556.48) 5184.44,3577.76 ccw(c5184.44,3599.03) v1@5199.48,3583.99
UART-R: R11.2 U2.43 | length 593.6
  Top Layer w6: v1@5141.41,3626.31 ccw(c5126.37,3641.35) 5147.64,3641.35 ccw(c5168.91,3641.35) v1@5153.87,3626.31 ; v1(5147.64,3620.08) U2.43@5147.64,3655.51 ; v1@5404.94,3508.06 cw(c5403.1,3497.77) 5412.15,3503 cw(c5417.9,3506.31) v1@5413,3510.79 ; v1@5406.5,3507.92 cw(c5406.5,3496.15) R11.2@5414.82,3504.47 ; v1(5406.5,3516.73) v1@5406.5,3512.8 ; v1@5409.27,3516.29 ccw(c5420.26,3514.56) R11.2@5414.7,3504.92 ; v1@5409.31,3516.73 ccw(c5425.6,3516.73) 5414.08,3505.21 ; R11.2@5413.46,3493.83 ccw(c5389.49,3495.78) v1@5406.5,3512.8 ; 5413.92,3505.37 ccw(c5422.24,3513.69) R11.2@5422.24,3501.92 ; v1@5414.32,3512.69 ccw(c5420.42,3509.54) R11.2@5416.99,3503.6 ; v1@5415.31,3516.73 ccw(c5446.08,3516.73) R11.2@5424.32,3494.97 ; R11.2@5415.66,3503.63 cw(c5406.44,3494.4) R11.2@5419.44,3493.34 ; R11.2@5425.69,3492.62 R11.2@5426.18,3492.13 ; R11.2@5426.18,3493.11 v1@5406.5,3512.8
  Bottom Layer w6: v1(5147.64,3620.08) 5234.25,3620.08 5267.54,3586.79 5267.54,3577.14 5316.01,3528.67 5394.56,3528.67 ; v1@5153.87,3613.85 cw(c5168.91,3598.81) 5168.91,3620.08 cw(c5168.91,3641.35) v1@5153.87,3626.31 ; v1@5397.82,3518.28 ccw(c5386.24,3520.35) 5394.56,3528.67 ; v1@5404.95,3525.41 cw(c5402.88,3536.99) 5394.56,3528.67 ; v1(5406.5,3516.73) 5394.56,3528.67
UART-T: R19.2 U2.42 | length 522
  Top Layer w6: v1@5123.28,3604.46 ccw(c5119.93,3611.75) 5127.95,3611.75 ; v1(5126.97,3596.46) 5127.95,3597.44 5127.95,3611.75 ; 5127.83,3635.81 cw(c5132.89,3635.81) U2.42@5129.31,3639.39 ; U2.42@5127.95,3655.51 5127.83,3655.39 5127.83,3611.87 5127.95,3611.75 ; v1@5132.12,3603.6 cw(c5137.99,3611.75) 5127.95,3611.75 ; v1(5346.46,3500) v1@5353.35,3493.11 ; v1@5348.83,3501.5 ccw(c5364.09,3511.18) R19.2@5364.09,3493.11 ; v1@5349.17,3500.74 ccw(c5361.39,3504.07) 5358.11,3491.83 ; v1@5353.9,3504.72 ccw(c5375,3518.09) R19.2@5375,3493.11 v1@5353.35,3493.11 ; R19.2@5364.04,3487.79 ccw(c5353.35,3479.71) v1@5353.35,3493.11 ; R19.2@5364.04,3498.43 cw(c5353.35,3506.51) v1@5353.35,3493.11
  Bottom Layer w6: v1(5126.97,3596.46) 5128.08,3597.57 5226.25,3597.57 5323.82,3500 v1(5346.46,3500) ; v1@5133.2,3590.23 cw(c5150.92,3572.5) 5150.92,3597.57 ; v1@5133.2,3602.69 ccw(c5145.56,3615.05) 5145.56,3597.57 ; v1@5340.23,3493.77 ccw(c5325.19,3478.73) 5325.19,3500 ccw(c5325.19,3521.27) v1@5340.23,3506.23
USBDM: R24.2 U2.44 | length 546.3
  Top Layer w6: v1@5161.09,3554.46 ccw(c5146.05,3569.5) 5167.32,3569.5 ccw(c5188.6,3569.5) v1@5173.55,3554.46 ; U2.44@5165.96,3639.39 cw(c5162.38,3635.8) 5167.45,3635.8 ; v1(5167.32,3548.23) 5167.32,3611.75 5167.45,3611.87 5167.45,3655.39 U2.44@5167.32,3655.51 ; v1@5187.92,3369.92 cw(c5172.88,3354.88) 5194.15,3354.88 cw(c5215.42,3354.88) v1@5200.38,3369.92 ; R24.2@5189.19,3352.69 ccw(c5177.21,3364.67) v1@5194.15,3364.67 ; v1@5190.07,3368.34 cw(c5187.16,3362.79) 5193.21,3361.17 ; v1@5190.39,3368.18 cw(c5185.19,3357.16) 5196.96,3360.31 cw(c5205.54,3362.61) v1@5199.82,3369.41 ; 5193.37,3361.76 cw(c5204.12,3358.88) v1@5198.56,3368.52 ; v1@5194.15,3370.8 ccw(c5219.76,3370.8) R24.2@5201.65,3352.69 ; v1(5194.15,3376.15) 5194.15,3347.73 R24.2@5195.42,3346.46
  Bottom Layer w6: v1@5167.32,3539.42 cw(c5167.32,3518.15) 5182.36,3533.19 cw(c5197.41,3548.23) v1@5176.13,3548.23 ; v1(5167.32,3548.23) 5189.96,3525.59 5189.96,3380.34 v1(5194.15,3376.15) ; v1@5187.92,3382.38 ccw(c5183,3387.3) 5189.96,3387.3 ; 5189.96,3393.05 ccw(c5211.05,3393.05) v1@5196.14,3378.14 ; 5189.96,3407.54 ccw(c5225.54,3407.54) v1@5200.38,3382.38
USBDP: R25.2 U2.45 | length 500.1
  Top Layer w6: 5185.9,3633.43 cw(c5194.33,3633.43) U2.45@5188.37,3639.39 ; U2.45@5187.01,3655.51 5185.9,3654.4 5185.9,3569.55 5207.22,3548.23 v1(5214.57,3548.23) ; v1@5234.4,3367.35 cw(c5216.14,3346.18) R25.2@5244.09,3346.18 ; R25.2@5237.86,3352.69 ccw(c5222.82,3367.73) 5244.09,3367.73 ccw(c5265.37,3367.73) R25.2@5250.32,3352.69 ; v1@5238.32,3371.89 cw(c5227.44,3359.28) 5244.09,3359.28 ; v1(5240.16,3374.02) 5244.09,3370.08 R25.2@5244.09,3346.46 ; 5244.09,3362.25 cw(c5251.93,3362.25) v1@5246.39,3367.79 ; 5246.4,3359.1 cw(c5259.78,3362.69) v1@5247.79,3369.61
  Bottom Layer w6: v1@5208.34,3542 cw(c5193.3,3526.96) 5214.57,3526.96 cw(c5235.84,3526.96) v1@5220.8,3542 ; v1(5214.57,3548.23) 5214.57,3399.61 v1(5240.16,3374.02) ; v1@5231.35,3374.02 ccw(c5210.07,3374.02) 5225.12,3389.06 ccw(c5240.16,3404.1) v1@5240.16,3382.83
pads on no net: BAT_SEN.M$0 BAT_SEN.M$1 BUZZER.M$0 BUZZER.M$1 Lights.M$0 Lights.M$1 M1.GND M1.SLOT U2.9 U2.21 U2.22 U2.23 U2.37 U2.40 U2.50 U3.1 U4.2 U4.3 U4.4 U4.5 U4.6 U4.7 U4.14 U4.15 U4.16 U4.17 U4.19 U4.21 U4.22 U5.1 U5.2 U5.4 U5.5 U5.6 U5.14 U5.15 U5.16 U5.17 U5.18 U5.19 U7.3 U7.5 U7.6 U7.7 U7.14 U7.15 U9.0 U9.1 U9.4 U10.7 UART.0 USB. USB.ID

## Polygon pours and split planes (outlines as drawn)
GND on Top Layer "Top Layer-No Net" (solid, remove dead copper, pour order 17): 4527.56,3120.87 ccw(c4577.56,3120.87) 4577.56,3070.87 6465.75,3070.87 ccw(c6465.75,3120.87) 6515.75,3120.87 6515.75,4487.4 ccw(c6465.75,4487.4) 6465.75,4537.4 4577.56,4537.4 ccw(c4577.56,4487.4) 4527.56,4487.4
GND on Bottom Layer "Top Layer-GND" (solid, remove dead copper, pour order 19): 4527.56,3120.87 ccw(c4577.56,3120.87) 4577.56,3070.87 6465.75,3070.87 ccw(c6465.75,3120.87) 6515.75,3120.87 6515.75,4487.4 ccw(c6465.75,4487.4) 6465.75,4537.4 4577.56,4537.4 ccw(c4577.56,4487.4) 4527.56,4487.4

## Keep-outs
Keep-Out Layer:
  lines w6: 4527.56,3120.87 ccw(c4577.56,3120.87) 4577.56,3070.87 4611.22,3070.87 6415.88,3070.87 6465.75,3070.87 ccw(c6465.75,3120.87) 6515.75,3120.87 6515.75,3153.54 6515.75,4362.2 6515.75,4487.4 ccw(c6465.75,4487.4) 6465.75,4537.4 6352.36,4537.4 4665.35,4537.4 4577.56,4537.4 ccw(c4577.56,4487.4) 4527.56,4487.4 4527.56,4381.89 4527.56,3157.48 4527.56,3120.87

## Other copper
Bottom Layer:
  pour cut-out: 6357.28,4058.07 6475.39,4057.09 6475.39,4250.98 6357.28,4250.98

## Silkscreen, mask and mechanical layers (free items; w line width, h text height)
Top Overlay:
  circle w10: c6446.88,4438.95 r8.89
  lines w12: 6378.64,4370.72 6446.88,4438.95 ; 6447.91,4440.04 6370.86,4517.09 ; 6370.86,4517.09 6370.86,4488.8 6399.15,4517.09 6370.86,4517.09 ; 6370.15,4362.23 6370.15,4390.51 6398.44,4362.23 6370.15,4362.23
  text "X" at 6304.13,4484.25 h77.5 r315
  text "Z" at 6501.97,4417.32 h77.5 r135
  text "SERVO" at 5448.82,4409.45 h32 r270
  text "Y2" at 5535.43,4358.27 h32 r270
  text "Y1" at 5629.92,4350.39 h32 r270
  text "X2" at 5740.16,4350.39 h32 r270
  text "X1" at 5834.65,4346.46 h32 r270
  text "Y" at 6359.33,4330.09 h77.5 r135
  text "CTRL V5" at 6312.01,3979.33 h32 r90
  text "VCC" at 4661.42,3508.86 h32 r270
  text "DIO" at 4661.42,3401.57 h32 r270
  text "SCK" at 4662.4,3309.06 h32 r270
  text "GND" at 4660.43,3208.66 h32 r270
Bottom Overlay:
  text "GND" at 5093.5,4429.13 h32 r90
  text "X1" at 5834.65,4405.51 h32 r270
  text "Y1" at 5629.92,4401.57 h32 r270
  text "X2" at 5740.16,4401.57 h32 r270
  text "Y2" at 5535.43,4393.7 h32 r270
  text "SERVO" at 5448.82,4342.52 h32 r270
Bottom Solder:
  text "BD" at 5711.61,3109.25 h80

## Text inside footprints (layer, text, board x,y; h text height)
U10: Mechanical 16 "X" at 5817.36,4079.88 h17 r135; Mechanical 16 "Y" at 5814.58,3970.15 h17 r135; Mechanical 16 "Z" at 5873.62,4023.62 h17 r135